# KiCad board misrc_v2.5-rounded.kicad_pcb (continued)
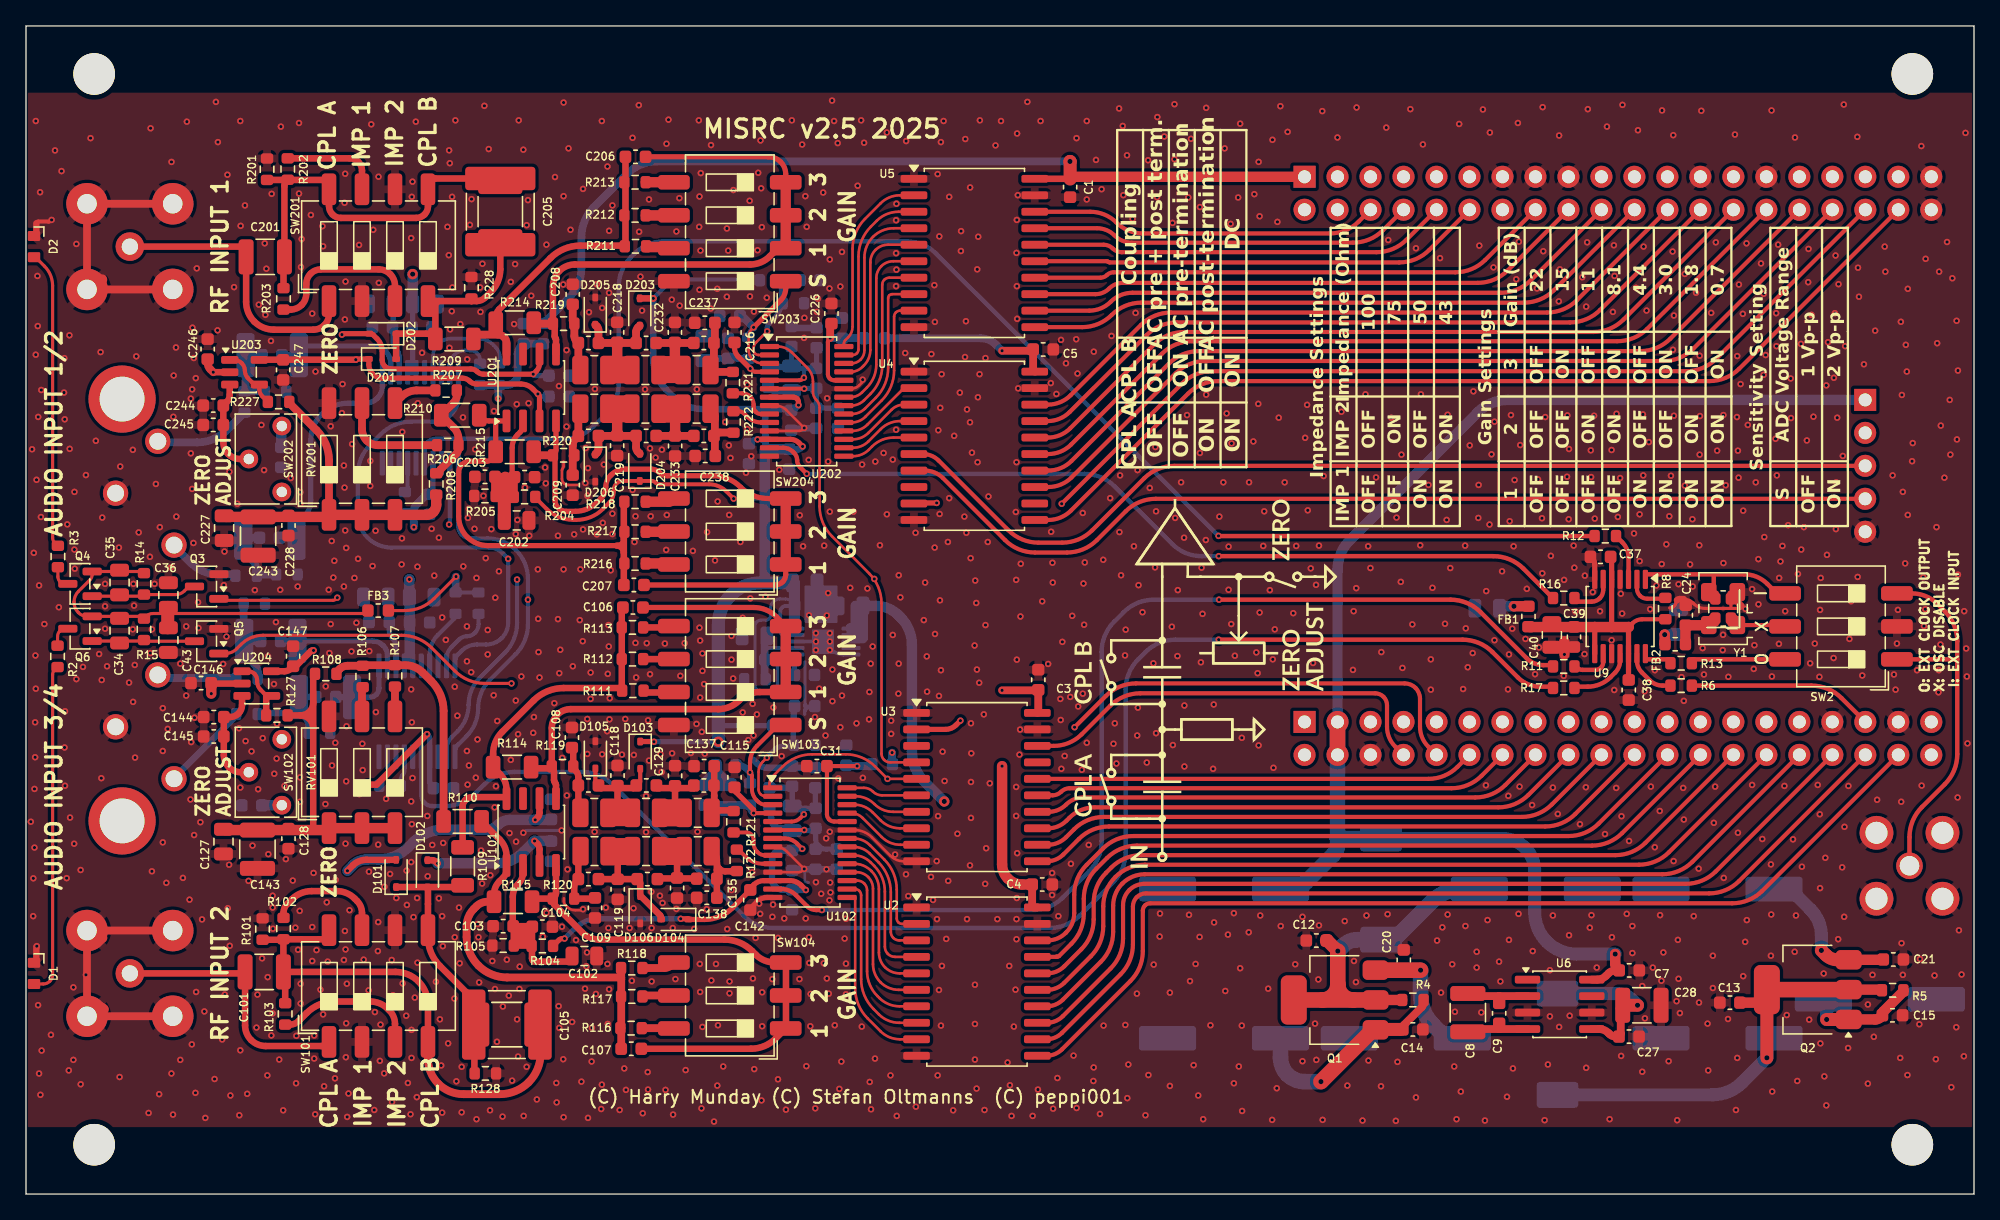
[diagram p0: board, top side]
## Routing (per net, layer and track width the routed paths; a pad name or vN(x,y) marks a point on that pad's centre or on a via; arc(x,y) is an arc through that point) (continued)
GND: length 123.6
  Top w0.2: 41.42,22.78 41.42,22.58 arc(41.46,22.39) 41.56,22.23 41.67,22.12 arc(41.96,21.93) 42.29,21.87 42.76,21.87 arc(42.81,21.88) 42.86,21.91 v1(42.89,21.94) ; 41.4,56.44 41.4,56.07 arc(41.38,55.99) 41.33,55.92 arc(41.29,55.85) 41.27,55.76 41.27,55.11 arc(41.3,54.93) 41.41,54.77 arc(41.56,54.67) 41.75,54.63 42.55,54.63 ; v1(64.42,62.75) 64.42,62.66 arc(64.41,62.58) 64.36,62.51 64.16,62.31 arc(63.87,62.12) 63.53,62.05 U202.23 ; 57.25,26.75 57.74,26.75 arc(58.19,26.66) 58.57,26.41 v1(59.92,25.05) 59.8,24.92 arc(59.66,24.83) 59.5,24.8 57.25,24.8 ; U202.8 57.72,60.75 arc(58.16,60.66) 58.54,60.41 v1(59.92,59.03) 59.81,58.91 arc(59.69,58.83) 59.54,58.8 U202.11 ; 68.17,25.64 67.58,25.64 arc(67.03,25.75) 66.57,26.06 65.14,27.48 arc(64.52,27.9) 63.78,28.05 62.97,28.05 ; v1(43.22,53.8) 43.22,54.01
  Top w0.24: Y2.2 131.28,45.14 arc(131.28,45.13) 131.28,45.13 ; 131.28,45.12 131.27,45.12 ; 131.28,45.12 132.03,45.12 ; 131.28,45.12 arc(131.28,45.12) 131.28,45.13 ; 131.27,45.12 129.29,45.12 arc(128.82,45.22) 128.42,45.48 128.36,45.54 arc(128.03,45.76) 127.64,45.84 ; 131.27,45.12 arc(131.27,45.12) 131.28,45.13 ; 0.9,17.8 0.85,17.8 arc(0.82,17.82) 0.8,17.85 0.8,17.95 ; Y1.2 131.41,46.02 arc(131.41,46.01) 131.42,45.99 ; 126.56,45.16 126.66,45.16 arc(126.76,45.18) 126.84,45.23 126.96,45.36 arc(127.02,45.45) 127.04,45.55 arc(127.07,45.66) 127.12,45.75 127.13,45.75
  Top w0.32: v1(0.83,19.1) 0.82,19.08 arc(0.8,19.07) 0.8,19.05 ; v1(1.97,75.06) 1.91,74.99 arc(1.84,74.95) 1.76,74.93 0.94,74.93 arc(0.89,74.92) 0.84,74.89 arc(0.81,74.84) 0.8,74.79
  Top w0.4: C37.2 120.63,48.93 arc(120.75,48.75) 120.8,48.53 U9.7 ; 55.72,21.96 56.3,22.54 arc(56.65,22.77) 57.06,22.85 U102.14
  Top w0.5: 127.64,45.84 127.34,45.84 arc(127.23,45.82) 127.13,45.75 ; 0.8,74.79 0.8,73.81 ; C40.2 117.51,42.14 arc(117.52,42.15) 117.53,42.15 C39.2 ; 131.42,45.99 132.09,45.33 ; 0.8,19.05 0.8,17.81
  Top w0.6: J101.3 J101.2 J101.4 J101.5 ; J201.5 J201.4 J201.2 J201.3
  Top w0.8: 10.07,20.29 10.83,20.29 ; 5.85,70.46 5.57,70.46 ; 5.03,20.4 4.23,20.4 ; 10.28,69.71 11.25,69.71 ; v1(118.46,41.58) 118.46,42.6 ; 10.3,76.29 11.3,76.29 ; 5.1,14.46 5.43,14.46 arc(5.73,14.4) 5.98,14.23 ; 10.35,70.46 10.65,70.46 ; 5.1,19.54 5.39,19.54 arc(5.64,19.59) 5.86,19.74 ; 4.69,76.4 4.87,76.22 arc(5.06,76.09) 5.29,76.05
  Bottom w0.2: 60.27,23.99 60.25,24.01 arc(60.23,24.02) 60.2,24.03 60.1,24.03 arc(60.01,24.07) 59.97,24.16 59.97,24.97 arc(59.96,25) 59.95,25.03 v1(59.92,25.05)
  Bottom w0.24: 60,37.27 59.98,37.25 ; 60,37.27 60.18,37.45 arc(60.34,37.56) 60.53,37.6 60.11,37.6 arc(60.06,37.61) 60.02,37.63 ; 60,37.27 arc(59.99,37.27) 59.99,37.28 ; 59.98,37.25 arc(59.97,37.23) 59.96,37.22 59.96,36.96 ; 59.98,37.25 arc(59.99,37.26) 59.99,37.28 ; v1(41.24,28.02) 38.6,28.02 arc(38.48,27.99) 38.39,27.93 v1(38.3,27.84) ; 55.02,42.88 C22.1 ; 59.99,37.62 59.99,37.28 ; 59.99,37.62 59.99,37.72 ; 59.99,37.62 arc(60,37.64) 60.02,37.63 ; 59.99,37.72 59.99,41.01 ; 59.99,37.72 arc(60,37.67) 60.02,37.63
  Bottom w0.28: U7.5 62.95,41.57 arc(62.42,41.68) 61.97,41.98 61.88,42.07 arc(61.32,42.44) 60.67,42.57 U7.8
  Bottom w0.5: 61.42,32.85 59.01,32.85 arc(59,32.85) 59,32.85 arc(58.99,32.84) 58.98,32.84 57.06,32.84 arc(56.66,32.92) 56.32,33.15 56.02,33.45 ; C214.1 60.86,66.74 arc(60.85,66.73) 60.83,66.72 58.95,66.72 ; C111.1 v1(61.64,25.03) 59.97,25.03 arc(59.95,25.03) 59.94,25.04 v1(59.92,25.05) 59,25.05 ; C212.1 59.97,59 arc(59.95,59) 59.94,59.01 v1(59.92,59.03) 59.9,59 arc(59.87,58.98) 59.84,58.97 58.92,58.97
  Bottom w0.6: 53.14,32.39 arc(53.12,32.38) 53.1,32.37
  Bottom w0.8: 10.29,76.3 11.28,76.3 ; 11.07,20.07 10.31,20.07 ; 10.21,69.72 11.18,69.72 ; 5.07,14.84 arc(5.13,14.54) 5.3,14.29
  Bottom w1: C131.2 53.17,32.37 arc(53.15,32.38) 53.14,32.39 arc(53.12,32.39) 53.11,32.41 ; C116.2 53.1,32.37 arc(53.11,32.39) 53.11,32.41 ; 53.11,32.41 C139.2
  vias: v1(0.37,28.69) v1(0.47,57.38) v1(0.57,24.33) v1(0.55,21.41) v1(0.6,49.4) v1(0.65,31.22) v1(0.65,26.69) v1(0.76,82.68) v1(0.75,64.67) v1(0.73,41.5) v1(0.76,38.94) v1(0.7,36.35) v1(0.7,33.65) v1(0.88,70.74) v1(0.81,55.03) v1(0.91,66.88) v1(0.94,59.88) v1(0.93,14.55) v1(1.09,77.19) v1(1.01,46.89) v1(1.01,9.29) v1(1.18,61.95) v1(1.15,52.17) v1(1.11,7.64) v1(1.21,11.05) v1(1.42,43.92) v1(1.92,12.27) v1(2.23,80.41) v1(2.53,45.21) v1(2.74,78.82) v1(2.96,64.41) v1(2.93,61.75) v1(2.98,59.69) v1(2.97,34.41) v1(3.01,37.2) v1(3.01,31.46) v1(3.18,51.6) v1(3.13,24.34) v1(3.3,9.52) v1(3.35,66.17) v1(3.36,57.42) v1(3.39,29.01) v1(3.65,15.93) v1(3.65,10.34) v1(3.73,54.1) v1(3.73,49.66) v1(3.75,48.18) v1(3.71,26.99) v1(3.88,73.2) v1(3.88,39.67) v1(4.21,24.97) v1(4.21,8.46) v1(4.39,40.61) v1(4.62,55.4) v1(4.62,16.89) v1(4.97,81.36) v1(5.38,58.04) v1(5.63,41.61) v1(5.75,64.87) v1(5.87,52.12) v1(5.83,39.61) v1(5.8,32.04) v1(6.09,47.01) v1(6.09,45.29) v1(6.09,43.56) v1(6.24,40.66) v1(7.16,49.81) v1(7.26,56.06) v1(7.21,9.02) v1(7.94,39.41) v1(8.23,57.34) v1(8.27,47.01) v1(8.22,43.51) v1(8.25,37.92) v1(8.32,45.34) v1(8.38,40.77) v1(8.49,64.54) v1(8.4,33.63) v1(8.68,50.98) v1(9.44,6.25) v1(9.59,82.12) v1(9.54,49.1) v1(9.57,41.68) v1(9.7,43.51) v1(9.7,24.87) v1(9.9,47.01) v1(10,54.71) v1(10.26,7.7) v1(10.31,51.38) v1(10.53,37.44) v1(10.53,34.14) v1(10.54,27.1) v1(10.81,23.98) v1(10.92,35.84) v1(11.17,48.28) v1(11.2,79.52) v1(11.2,9.29) v1(11.37,63.07) v1(11.35,59.89) v1(11.32,6.12) v1(11.55,65.23) v1(11.58,52.2) v1(11.88,40.87) v1(11.88,10.34) v1(12.08,24.36) v1(12.39,82.63) v1(12.34,43.74) v1(12.34,38.4) v1(12.59,22.68) v1(12.69,61.29) v1(12.69,57.07) v1(12.67,30.4) v1(12.8,62) v1(12.8,54.33) v1(12.72,34.82) v1(12.77,11.53) v1(12.82,66.75) v1(12.9,50.16) v1(12.92,64.41) v1(12.97,36.7) v1(12.95,27.66) v1(13.07,62.86) v1(13.1,15.57) v1(13.05,7.8) v1(13.15,71.32) v1(13.25,45.59) v1(13.28,43.61) v1(13.43,28.65) v1(13.56,21.16) v1(13.73,14.07) v1(13.81,5.87) v1(14.52,8.86) v1(14.62,84.15) v1(14.78,81.05) v1(14.75,66.55) v1(15.18,40.84) v1(15.11,11.91) v1(15.28,49.5) v1(15.23,46.91) v1(15.31,15.37) v1(15.44,42.95) v1(15.51,78.54) v1(15.54,22.02) v1(15.67,55.65) v1(15.64,25.37) v1(15.69,19.13) v1(15.74,7.59) v1(16.02,69.87) v1(16.28,53.19) v1(16.4,35.89) v1(16.43,6.07) v1(16.5,82.68) v1(16.53,74.6) v1(16.5,31.32) v1(16.5,11.07) v1(16.86,76.17) v1(16.91,34.9) v1(17.04,7.72) v1(17.14,24.13) v1(17.37,34.11) v1(17.44,26.85) v1(17.62,46.53) v1(17.75,12.83) v1(17.88,31.19) v1(17.82,15.37) v1(17.93,68.53) v1(18.13,59.26) v1(18.18,18.16) v1(18.23,35.13) v1(18.38,73.25) v1(18.33,55.78) v1(18.43,67.74) v1(18.51,71.3) v1(18.59,9.14) v1(18.64,41.43) v1(18.66,26.19) v1(18.61,16.71) v1(18.87,65.73) v1(18.89,12.22) v1(18.92,77.06) v1(18.99,22.99) v1(18.99,22.07) v1(18.99,13.92) v1(19.09,39.29) v1(19.02,20.45) v1(19.12,32.38) v1(19.25,44.07) v1(19.3,33.55) v1(19.32,36.25) v1(19.58,46.56) v1(19.5,10.36) v1(19.63,82.24) v1(19.81,6.45) v1(19.91,31.44) v1(20.01,25.81) v1(20.39,55.17) v1(20.54,24.15) v1(20.75,20.52) v1(20.8,8.53) v1(20.82,12.19) v1(20.92,46.81) v1(20.95,18.82) v1(21.02,82.52) v1(21.02,77.09) v1(21.08,21.82) v1(21.18,71.42) v1(21.13,54.08) v1(21.13,53.21) v1(21.1,32.11) v1(21.1,30.23) v1(21.15,16.2) v1(21.15,14.68) v1(21.23,73.58) v1(21.94,75.44) v1(22.04,67.84) v1(22.04,20.57) v1(22.04,17.96) v1(22.14,24.74) v1(22.19,12.22) v1(22.19,10.44) v1(22.29,63.37) v1(22.27,6.15) v1(22.37,18.8) v1(22.68,15.75) v1(22.83,74.57) v1(22.88,73.02) v1(22.88,13.84) v1(22.96,8.31) v1(23.08,39.12) v1(23.06,30.05) v1(23.16,22.48) v1(23.23,17.91) v1(23.31,46.56) v1(23.36,41.68) v1(23.46,59.16) v1(23.46,43.92) v1(23.54,50.32) v1(23.56,33.02) v1(23.67,47.5) v1(23.74,48.79) v1(23.79,8.91) v1(23.82,34.77) v1(23.84,24.21) v1(24.38,62.41) v1(24.33,60.17) v1(24.48,56.13) v1(24.48,46.81) v1(24.48,18.03) v1(24.58,78.61) v1(24.53,76.38) v1(24.56,67.39) v1(24.53,54.43) v1(24.58,51.13) v1(24.56,20.27) v1(24.61,70.31) v1(24.66,49.78) v1(24.68,36.04) v1(24.66,31.8) v1(24.61,27) v1(24.61,18.85) v1(24.66,13.16) v1(24.63,10.54) v1(24.71,16.2) v1(24.73,5.94) v1(24.83,7.75) v1(24.91,21.87) v1(25.06,41.81) v1(25.11,57.78) v1(25.29,47.47) v1(25.44,44.02) v1(25.57,48.95) v1(25.65,73.13) v1(25.67,30.81) v1(25.9,34.7) v1(25.93,32.66) v1(26,18.06) v1(26.38,15.7) v1(26.44,41.83) v1(26.41,24.84) v1(26.59,82.42) v1(26.51,56.49) v1(26.51,54.56) v1(26.69,48.39) v1(26.74,74.29) v1(26.87,14.02) v1(26.82,6.48) v1(26.92,51.1) v1(26.94,37.13) v1(27.1,18.72) v1(27.15,78.38) v1(27.17,70.2) v1(27.12,26.92) v1(27.12,20.95) v1(27.3,13.06) v1(27.25,10.26) v1(27.58,9.3) v1(27.6,23.67) v1(27.73,30.45) v1(28.04,24.66) v1(28.16,18.03) v1(28.19,7.09) v1(28.26,15.32) v1(28.52,22.81) v1(28.62,71.88) v1(28.97,58.72) v1(28.95,50.52) v1(28.92,48.51) v1(29,16.23) v1(29.28,13.74) v1(29.31,24.92) v1(29.33,22.28) v1(29.41,8.56) v1(29.66,73.66) v1(29.66,38.89) v1(29.66,30.25) v1(29.66,25.58) v1(29.69,12.65) v1(29.69,10.49) v1(29.61,6.15) v1(29.76,78) v1(29.71,76.83) v1(29.71,36.35) v1(29.76,32.05) v1(29.71,28.5) v1(29.84,21.34) v1(29.94,15.14) v1(30.02,82.63) v1(30.09,7.47) v1(30.17,60.93) v1(30.14,48.34) v1(30.12,22.81) v1(30.14,17.83) v1(30.5,64.82) v1(30.91,29.13) v1(30.93,24.48) v1(31.24,51.26) v1(31.29,26.9) v1(31.44,47.65) v1(31.57,16.36) v1(31.79,50.57) v1(31.79,22.78) v1(31.87,13.46) v1(31.97,9.91) v1(32.05,44.42) v1(32.05,21.41) v1(32.1,19.1) v1(32.05,6.27) v1(32.12,27.05) v1(32.33,42.7) v1(32.45,74.52) v1(32.58,80.42) v1(32.56,72.34) v1(32.51,11.61) v1(32.63,79.43) v1(32.66,66.62) v1(32.61,65.2) v1(32.78,68.02) v1(32.81,76.83) v1(32.84,69.85) v1(32.99,15.06) v1(33.06,82.73) v1(33.01,39.09) v1(33.01,19.79) v1(33.14,8.69) v1(33.22,36.85) v1(33.34,22.07) v1(33.39,17.78) v1(33.45,67.03) v1(33.55,9.8) v1(33.55,6.3) v1(33.65,59.84) v1(33.67,48.36) v1(33.98,64.31) v1(33.95,43.74) v1(33.95,41.05) v1(33.95,34.14) v1(34.03,52.09) v1(34,31.55) v1(34.18,74.68) v1(34.11,52.81) v1(34.11,33.02) v1(34.28,40.21) v1(34.31,76.66) v1(34.59,57.38) v1(34.54,51.26) v1(34.69,47.47) v1(34.64,32.08) v1(34.69,5.77) v1(34.77,35.03) v1(34.77,20.8) v1(34.84,19.79) v1(34.89,16.31) v1(34.97,69.85) v1(34.99,67.97) v1(35.05,26.47) v1(35.15,71.68) v1(35.12,23.93) v1(35.3,83.84) v1(35.22,53.8) v1(35.4,49) v1(35.55,43.46) v1(35.55,41.58) v1(35.63,80.52) v1(35.76,24.56) v1(35.73,6.45) v1(35.83,51.23) v1(35.91,17.96) v1(36.04,60.32) v1(36.01,38.43) v1(36.09,29.79) v1(36.14,45.95) v1(36.19,31.42) v1(36.11,15.8) v1(36.29,36.45) v1(36.26,11.73) v1(36.42,47.98) v1(36.7,5.97) v1(36.72,14.45) v1(37.03,18.06) v1(37.18,15.29) v1(37.23,27.81) v1(37.33,70.28) v1(37.33,33.45) v1(37.43,8.74) v1(37.59,67.03) v1(37.66,71.65) v1(37.79,60.86) v1(37.71,50.85) v1(37.71,38.02) v1(37.74,27.15) v1(37.84,51.94) v1(37.89,35.43) v1(37.81,13.46) v1(37.89,10.59) v1(37.94,82.73) v1(37.99,15.8) v1(38.02,17.53) v1(38.14,39.88) v1(38.3,80.47) v1(38.32,6.02) v1(38.42,54.43) v1(38.55,74.65) v1(38.55,9.8) v1(38.65,76.58) v1(38.7,60.93) v1(38.75,50.72) v1(38.91,69.21) v1(39.06,35.53) v1(39.11,36.75) v1(39.34,7.29) v1(39.41,48.13) v1(39.44,44.32) v1(39.47,41.76) v1(39.54,39.8) v1(39.8,19.84) v1(39.97,55.98) v1(40.07,73.15) v1(40.02,54.76) v1(40.07,21.67) v1(40.68,37.82) v1(40.74,78.36) v1(40.84,8.56) v1(40.86,7.06) v1(40.96,50.72) v1(40.96,44.3) v1(41.04,62.25) v1(41.07,40.13) v1(41.01,14.48) v1(41.07,12.8) v1(41.14,41.93) v1(41.29,33.6) v1(41.27,20.6) v1(41.4,84.1) v1(41.4,76.89) v1(41.37,70.08) v1(41.4,48.13) v1(41.37,10.39) v1(41.4,5.92) v1(41.62,65.02) v1(41.62,59.13) v1(41.65,30.71) v1(41.78,80.57) v1(41.7,25.02) v1(41.93,74.29) v1(42.06,13.26) v1(42.11,40.66) v1(42.21,50.82) v1(42.35,19.57) v1(42.69,48.13) v1(42.64,44.22) v1(42.77,8.66) v1(42.89,77.44) v1(42.89,51.21) v1(42.87,42.6) v1(43.1,57.48) v1(43.07,54.79) v1(43.05,15.82) v1(43.2,18.62) v1(43.15,17.55) v1(43.28,55.93) v1(43.22,36.6) v1(43.22,33.91) v1(43.28,5.87) v1(43.35,67.94) v1(43.48,40.18) v1(43.48,38.15) v1(43.58,12.8) v1(43.55,10.21) v1(43.78,27.91) v1(43.81,62.03) v1(43.88,15.42) v1(43.96,70.1) v1(43.96,50.82) v1(44.29,6.55) v1(44.34,82.68) v1(44.37,68.27) v1(44.37,33.88) v1(44.34,8.43) v1(44.49,56.21) v1(44.42,51.71) v1(44.65,22.07) v1(44.77,79.17) v1(44.8,40.08) v1(44.75,35.66) v1(44.77,17.73) v1(44.8,13.11) v1(44.85,43.84) v1(44.88,42.19) v1(44.85,20.5) v1(44.9,74.22) v1(44.9,69.44) v1(44.95,38.2) v1(44.93,36.58) v1(44.9,15.77) v1(45.03,48.06) v1(45.15,76.17) v1(45.15,52.42) v1(45.15,50.85) v1(45.71,6.48) v1(45.89,33.86) v1(46.07,9.68) v1(46.15,36.6) v1(46.2,8.03) v1(46.48,20.5) v1(46.65,16.43) v1(46.7,81.38) v1(46.7,54.25) v1(46.78,22.02) v1(46.86,50.24) v1(46.81,33.83) v1(46.93,52.22) v1(46.93,42.47) v1(46.98,39.8) v1(47.19,83.9) v1(47.21,74.14) v1(47.31,70.69) v1(47.44,68.07) v1(47.49,6.22) v1(47.67,62) v1(47.8,42.44) v1(47.75,30.66) v1(47.75,27.89) v1(47.9,36.5) v1(47.87,9.4) v1(47.9,8.05) v1(47.97,76.63) v1(47.97,33.4) v1(48.05,57.45) v1(48.05,40.06) v1(48.1,52.22) v1(48.15,23.29) v1(48.18,20.5) v1(48.18,16.38) v1(48.48,56.74) v1(48.86,33.88) v1(48.81,22.99) v1(48.96,57.35) v1(48.94,32.51) v1(49.02,22.43) v1(49.19,42.42) v1(49.3,49.63) v1(49.24,8.03) v1(49.32,80.92) v1(49.35,52.32) v1(49.47,82.78) v1(49.73,68.91) v1(49.75,33.96) v1(49.8,20.5) v1(49.83,6.12) v1(50.08,74.17) v1(50.08,21.97) v1(50.01,16.56) v1(50.31,76.73) v1(50.34,68.45) v1(50.39,39.93) v1(50.72,42.44) v1(50.79,9.55) v1(51.2,33.98) v1(51.35,49.55) v1(51.45,20.42) v1(51.66,62) v1(51.63,36.22) v1(51.71,27.91) v1(51.81,82.73) v1(51.86,76.86) v1(51.83,74.52) v1(51.86,69.67) v1(51.86,43.64) v1(51.89,17.73) v1(51.96,78.66) v1(51.94,72.69) v1(51.91,42.65) v1(51.91,38.25) v1(51.91,15.57) v1(52.09,41.66) v1(52.09,40.31) v1(52.04,35.61) v1(52.09,12.88) v1(52.01,6.6) v1(52.22,39.29) v1(52.27,33.93) v1(52.44,51) v1(52.42,21.94) v1(52.75,80.82) v1(52.72,68.22) v1(52.77,16.46) v1(52.98,5.59) v1(53.05,48.82) v1(53.13,17.73) v1(53.23,69.75) v1(53.26,53.36) v1(53.28,13) v1(53.23,8.36) v1(53.69,9.83) v1(53.85,59.49) v1(53.97,74.4) v1(53.97,69.14) v1(53.99,20.42) v1(54.07,72.69) v1(54.12,57.68) v1(54.15,52.32) v1(54.17,16.38) v1(54.17,15.47) v1(54.25,56.72) v1(54.32,43) v1(54.32,41.17) v1(54.32,23.42) v1(54.47,77.36) v1(54.45,39.72) v1(55.01,50.24) v1(55.19,44.4) v1(55.19,37.11) v1(55.31,12.83) v1(55.44,55.57) v1(55.54,62.36) v1(55.54,58.93) v1(55.52,17.68) v1(55.62,34.98) v1(55.72,76.53) v1(55.75,69.16) v1(55.77,45.9) v1(55.85,56.84) v1(55.95,37.77) v1(55.92,24.79) v1(55.98,16.61) v1(56.05,68) v1(56.03,35.33) v1(56.08,9.63) v1(56.18,19.74) v1(56.28,36.96) v1(56.38,78.69) v1(56.33,72.72) v1(56.46,22.38) v1(56.56,81.18) v1(56.53,21.59) v1(56.61,77.49) v1(56.66,74.5) v1(56.69,15.54) v1(56.69,12.93) v1(56.64,7.21) v1(56.94,46.02) v1(57.04,69.06) v1(57.47,21.36) v1(57.47,16.56) v1(57.55,37.49) v1(57.52,22.3) v1(57.91,19.74) v1(57.91,8.84) v1(58.01,55.8) v1(58.19,33.74) v1(58.39,21.23) v1(58.52,6.5) v1(58.97,82.73) v1(59.58,52.3) v1(59.56,16.56) v1(59.77,80.87) v1(59.84,49.91) v1(59.94,67.51) v1(59.91,65.96) v1(60.01,76.89) v1(60.04,21.23) v1(60.09,9.85) v1(60.12,74.52) v1(60.27,56.57) v1(60.29,44.6) v1(60.29,19.79) v1(60.32,17.8) v1(60.39,12.93) v1(60.42,15.42) v1(60.75,36.75) v1(60.78,6.6) v1(60.82,43.22) v1(60.82,42.57) v1(60.82,41.92) v1(60.83,24.03) v1(60.98,68.99) v1(60.9,67.97) v1(61.08,38.94) v1(61.23,23.14) v1(61.39,77.16) v1(61.46,49.96) v1(61.44,17.78) v1(61.56,35.33) v1(61.69,61.31) v1(61.66,44.58) v1(61.61,27.41) v1(61.66,16.61) v1(61.77,56.44) v1(61.77,46.3) v1(61.89,72.01) v1(61.87,69.77) v1(61.89,52.58) v1(61.9,43.22) v1(61.9,42.57) v1(61.9,41.92) v1(61.89,27.91) v1(61.87,22.63) v1(61.82,15.44) v1(61.92,24) v1(61.94,23.24) v1(62.07,84.25) v1(62.1,40.41) v1(62.1,37.97) v1(62.22,82.68) v1(62.27,13) v1(62.5,80.97) v1(62.55,32.03) v1(62.63,8.1) v1(62.71,69.93) v1(62.71,35.97) v1(62.78,10.21) v1(62.83,72.59) v1(62.83,38.4) v1(63.04,19.68) v1(63.09,16.69) v1(63.14,21.21) v1(63.14,17.75) v1(63.14,15.39) v1(63.47,46.71) v1(63.72,52.58) v1(63.95,36.27) v1(64.04,77.69) v1(64.31,82.73) v1(64.38,56.21) v1(64.36,12.9) v1(64.44,32.07) v1(64.53,81) v1(64.79,46.66) v1(64.94,38.68) v1(64.92,36.58) v1(64.97,8.64) v1(65.04,40.87) v1(65.07,6.53) v1(65.2,42.19) v1(65.4,56.44) v1(65.37,10.44) v1(65.75,49.99) v1(66.03,57.1) v1(66.28,81.79) v1(66.29,52.37) v1(66.57,9.14) v1(66.62,36.47) v1(66.62,35.46) v1(66.74,56.59) v1(66.74,43.08) v1(67,75.03) v1(67,72.49) v1(67,69.95) v1(67,58.89) v1(66.92,26.16) v1(67.02,76.3) v1(67.02,71.22) v1(67.05,6.02) v1(67.18,38.56) v1(67.2,47.68) v1(67.2,40.87) v1(67.33,45.97) v1(67.77,81.13) v1(67.7,64.8) v1(67.76,24.64) v1(67.94,22.96) v1(68.5,50.95) v1(68.52,6.73) v1(69.13,44.22) v1(69.23,47.12) v1(69.36,41.43) v1(69.39,38.71) v1(69.69,24.44) v1(69.72,64.72) v1(69.84,22.66) v1(69.95,70.03) v1(69.98,67.2) v1(69.97,49.81) v1(70,43.15) v1(70.2,78.59) v1(70.12,25.65) v1(70.15,21.18) v1(70.2,9.14) v1(70.25,58.85) v1(70.23,29.12) v1(70.33,73.79) v1(70.35,52.4) v1(70.38,45.74) v1(70.3,38.38) v1(70.3,15.72) v1(70.45,81.05) v1(70.4,60.58) v1(70.45,40.36) v1(70.45,12.98) v1(70.5,63.17) v1(70.58,34.09) v1(70.53,17.58) v1(70.66,82.68) v1(70.73,31.83) v1(70.86,19.66) v1(70.99,50.24) v1(71.09,76.83) v1(71.09,53.62) v1(71.01,24.13) v1(71.39,6.45) v1(71.47,58.42) v1(71.72,27.76) v1(71.99,72.66) v1(71.91,61.75) v1(72,74.19) v1(72.26,52.2) v1(72.33,81.29) v1(72.38,67.25) v1(72.31,64.49) v1(72.46,60.45) v1(72.41,50.95) v1(72.46,21.18) v1(72.7,77.56) v1(72.69,59.46) v1(72.69,25.32) v1(72.74,49) v1(72.76,36.27) v1(72.79,33.96) v1(72.76,31.75) v1(72.76,28.98) v1(72.84,57.12) v1(73.09,47.27) v1(73.04,42.27) v1(73.07,16.13) v1(73.07,13.11) v1(73.07,10.36) v1(73.17,45.54) v1(73.2,8.13) v1(73.25,71.25) v1(73.3,61.39) v1(73.27,56.39) v1(73.22,40.41) v1(73.32,73.76) v1(73.4,39.39) v1(73.45,82.73) v1(73.43,63.17) v1(73.76,36.96) v1(73.88,64.41) v1(73.88,43.84) v1(73.86,23.9) v1(73.81,6.48) v1(73.93,26.64) v1(74.06,50.24) v1(74.11,53.75) v1(74.21,31.65) v1(74.66,80.8) v1(74.8,21.18) v1(75.08,82.68) v1(75.58,10.13) v1(75.71,17.58) v1(75.76,8.38) v1(75.89,6.02) v1(76.07,12.9) v1(76.19,15.75) v1(76.3,75.06) v1(76.27,72.52) v1(76.3,69.95) v1(76.27,56.39) v1(76.22,52.55) v1(76.24,47.32) v1(76.3,41.17) v1(76.24,31.37) v1(76.24,29.13) v1(76.3,22.81) v1(76.27,21.18) v1(76.27,19.63) v1(76.32,81.71) v1(76.37,76.96) v1(76.32,67.44) v1(76.4,62.08) v1(76.32,26.26) v1(76.5,33.86) v1(76.6,48.56) v1(76.57,44.5) v1(76.55,35.79) v1(77.11,84.15) v1(77.51,6.02) v1(77.92,8.05) v1(78.12,82.68) v1(78.25,45.67) v1(78.71,40.84) v1(78.91,62.48) v1(78.94,51.03) v1(79.04,48.64) v1(79.06,47.12) v1(79.01,24.74) v1(79.01,23.04) v1(79.09,6.58) v1(79.34,61.65) v1(79.5,21.41) v1(79.42,8.94) v1(79.7,65.81) v1(79.65,38.15) v1(79.67,36.52) v1(79.72,32.77) v1(79.8,42.54) v1(79.98,33.76) v1(80.08,64.01) v1(80.41,38.3) v1(80.46,25.45) v1(80.56,44.55) v1(80.66,10.67) v1(80.89,81.36) v1(80.87,65.86) v1(80.89,6.63) v1(80.97,63.22) v1(81.02,37.57) v1(81.3,32.69) v1(81.38,52.48) v1(81.38,38.56) v1(81.43,47.04) v1(81.48,43.87) v1(81.53,48.67) v1(81.68,82.68) v1(81.68,76.63) v1(81.68,34.77) v1(81.83,26.9) v1(82.19,8.71) v1(82.22,64.9) v1(82.21,9.75) v1(82.39,79.68) v1(82.7,6.17) v1(82.82,77.42) v1(82.95,48.87) v1(82.98,12.98) v1(83.48,53.62) v1(83.59,66.12) v1(83.74,34.7) v1(83.84,36.27) v1(83.97,33.17) v1(84.17,83.64) v1(84.19,51) v1(84.25,55.37) v1(84.32,47.68) v1(84.45,82.3) v1(84.5,76.96) v1(84.68,43.48) v1(84.63,41.5) v1(84.65,13.03) v1(84.78,80.03) v1(84.88,9.98) v1(84.8,7.39) v1(85.21,75.13) v1(85.31,49.91) v1(85.44,67.89) v1(85.59,55.78) v1(85.57,35.33) v1(85.54,15.44) v1(85.67,46.91) v1(85.62,37.48) v1(85.97,44.83) v1(86.2,6.07) v1(86.3,33.25) v1(86.4,79.65) v1(86.43,9.17) v1(86.53,54.41) v1(86.81,40.89) v1(86.84,17.68) v1(86.96,57.56) v1(86.94,48.28) v1(87.09,76.81) v1(87.01,52.6) v1(87.01,35.51) v1(87.12,82.98) v1(87.29,19.84) v1(87.32,21.61) v1(87.65,81.48) v1(88.08,15.52) v1(88.08,8.33) v1(88.28,74.83) v1(88.23,43.71) v1(88.31,34.59) v1(88.44,83.97) v1(88.44,79.73) v1(88.49,52.09) v1(88.69,46.53) v1(88.66,41.45) v1(88.94,54.84) v1(89.17,50.57) v1(89.2,37.64) v1(89.2,32.94) v1(89.4,60.02) v1(89.5,76.78) v1(89.55,21.51) v1(89.63,16.41) v1(89.71,81.3) v1(89.91,9.93) v1(90.06,17.73) v1(90.27,7.59) v1(90.39,76.05) v1(90.39,57.1) v1(90.37,19.81) v1(90.47,40.97) v1(90.52,48.26) v1(90.6,44.7) v1(90.65,5.77) v1(90.87,83.69) v1(90.87,61.59) v1(90.85,50.39) v1(91.21,13) v1(91.46,37.72) v1(91.41,32.77) v1(91.48,20.93) v1(91.89,52.2) v1(92.2,54.84) v1(92.3,80.57) v1(92.35,15.65) v1(92.45,60.15) v1(92.55,19.99) v1(92.6,49.89) v1(92.6,46.56) v1(92.75,74.75) v1(92.83,57.84) v1(92.81,43.92) v1(93.08,41.48) v1(93.01,21.64) v1(93.01,8.53) v1(93.34,76.78) v1(93.39,9.83) v1(93.49,82.47) v1(93.49,17.4) v1(93.62,35.15) v1(93.62,12.98) v1(93.64,6.4) v1(94.18,54.84) v1(94.15,20.17) v1(94.58,77.04) v1(94.51,57.99) v1(94.74,41.73) v1(94.89,60.88) v1(94.84,40.13) v1(94.91,79.53) v1(94.99,75.34) v1(94.99,44.81) v1(94.91,34.57) v1(95.04,21.46) v1(95.27,49.94) v1(95.35,52.6) v1(95.65,15.82) v1(95.78,46.53) v1(95.98,81.23) v1(95.95,5.71) v1(96.01,41.2) v1(96.06,32.84) v1(96.16,43.51) v1(96.36,74.9) v1(96.31,8.15) v1(96.46,59.82) v1(96.59,83.82) v1(96.62,20.65) v1(96.92,54.84) v1(97.15,81.84) v1(97.58,44.75) v1(97.73,17.7) v1(97.81,49.94) v1(98.29,21.36) v1(98.29,10.24) v1(98.49,58.27) v1(98.65,60.81) v1(98.7,52.68) v1(98.93,48.21) v1(99.1,40.92) v1(99.26,13.13) v1(99.33,46.94) v1(99.36,10.34) v1(99.56,49.96) v1(99.56,20.7) v1(99.51,16.53) v1(99.82,83.44) v1(99.84,5.71) v1(99.92,55.32) v1(100.98,81.41) v1(101.29,60.27) v1(101.54,21.03) v1(101.75,8.36) v1(102.18,40.39) v1(102.23,44.91) v1(102.25,17.96) v1(102.46,83.72) v1(102.43,46.68) v1(102.41,16.33) v1(102.91,5.66) v1(103.14,61.62) v1(103.22,21.46) v1(103.35,49.91) v1(103.37,10.29) v1(103.52,48.23) v1(103.96,55.22) v1(104.36,41.76) v1(104.34,8.31) v1(104.74,82.17) v1(104.9,73.51) v1(104.84,21.56) v1(105.12,59.82) v1(105.48,5.64) v1(105.53,52.12) v1(105.61,10.18) v1(105.86,47.17) v1(105.91,56.97) v1(105.99,40.54) v1(106.6,83.59) v1(106.75,43.89) v1(107.03,72.87) v1(107.03,7.44) v1(107.36,49.99) v1(107.41,61.62) v1(107.56,80.87) v1(107.99,54.63) v1(108.17,41.2) v1(108.17,38.86) v1(108.3,46.71) v1(108.65,19.53) v1(108.88,72.11) v1(108.96,15.52) v1(109.06,20.55) v1(109.26,43.94) v1(109.39,51.94) v1(109.47,60.05) v1(109.47,21.54) v1(109.67,48.23) v1(109.82,17.7) v1(109.98,9.83) v1(110.03,14.05) v1(110.15,5.77) v1(110.36,82.45) v1(110.48,7.9) v1(110.66,38.91) v1(110.81,49.96) v1(110.86,43.59) v1(110.84,20.65) v1(111.02,40.59) v1(111.17,57.68) v1(111.4,41.68) v1(111.45,61.85) v1(111.7,18.67) v1(111.7,17.45) v1(111.86,54.63) v1(111.83,52.09) v1(111.91,73.08) v1(112.06,13.99) v1(112.19,83.57) v1(112.34,5.66) v1(112.44,46.46) v1(112.41,31.5) v1(112.54,21.11) v1(112.69,51.59) v1(112.72,81.79) v1(112.85,57) v1(113,71.4) v1(113.07,59.51) v1(113.07,42.67) v1(113.43,17.91) v1(113.53,16.38) v1(113.66,47.98) v1(114.04,7.49) v1(114.19,41.58) v1(114.12,38.89) v1(114.14,30.68) v1(114.19,19.58) v1(114.24,51.84) v1(114.34,60.02) v1(114.45,43.56) v1(114.5,9.68) v1(114.55,49.91) v1(114.62,55.02) v1(114.75,70.48) v1(114.88,82.52) v1(114.95,73.38) v1(114.93,21.59) v1(115.06,57.71) v1(115,31.39) v1(115.46,42.77) v1(115.56,46.63) v1(115.97,29.97) v1(116.02,18.72) v1(116.2,40.06) v1(116.35,69.77) v1(116.43,55.07) v1(116.5,42.11) v1(116.78,83.74) v1(116.73,52.07) v1(116.76,47.83) v1(116.83,72.64) v1(116.99,59.87) v1(116.94,5.69) v1(117.19,9.98) v1(117.34,17.25) v1(117.34,13.69) v1(117.42,49.17) v1(117.57,31.32) v1(117.57,21.46) v1(117.95,29.29) v1(118.05,81.56) v1(118.03,68.78) v1(118.05,12.88) v1(118.1,71.25) v1(118.43,47.32) v1(118.41,39.93) v1(118.69,59.99) v1(118.66,55.27) v1(118.79,51.99) v1(118.81,57.4) v1(118.81,19.94) v1(118.87,13.74) v1(119.17,49.96) v1(119.22,48.26) v1(119.3,44.88) v1(119.65,28.5) v1(119.83,70.64) v1(120.03,47.65) v1(120.01,41.6) v1(120.14,68.38) v1(120.11,31.34) v1(120.14,9.73) v1(120.26,83.59) v1(120.21,73.33) v1(120.49,57.3) v1(120.41,20.52) v1(120.52,55.24) v1(120.54,21.49) v1(120.64,46.38) v1(120.75,59.97) v1(120.8,52.04) v1(120.95,17.45) v1(121.2,44.91) v1(121.58,27.74) v1(121.74,82.24) v1(121.94,5.77) v1(122.09,57.33) v1(122.09,42.67) v1(122.19,67.97) v1(122.12,19.79) v1(122.27,73.1) v1(122.29,38.84) v1(122.32,70.74) v1(122.47,60.12) v1(122.45,31.29) v1(122.57,52.17) v1(122.75,55.17) v1(122.8,46.25) v1(122.85,29.11) v1(122.83,10.64) v1(122.93,83.92) v1(122.9,44.73) v1(123.26,21.59) v1(123.44,27.2) v1(123.69,20.65) v1(123.69,18.57) v1(123.82,50.9) v1(123.97,69.82) v1(124.12,81.97) v1(124.25,52.37) v1(124.25,48.77) v1(124.45,16.03) v1(124.45,9.42) v1(124.56,73) v1(124.5,60.07) v1(124.53,55.37) v1(124.63,38.73) v1(124.66,13.54) v1(124.78,68.07) v1(124.96,57.94) v1(125.06,45.06) v1(125.11,31.39) v1(125.27,17.45) v1(125.42,40.36) v1(125.42,26.72) v1(125.55,46.89) v1(125.8,29.51) v1(125.83,21.49) v1(125.98,83.49) v1(125.95,48.54) v1(125.93,16.43) v1(126.08,18.62) v1(126.31,50.06) v1(126.49,10.24) v1(126.54,52.22) v1(126.66,55.35) v1(126.79,72.62) v1(126.84,81.58) v1(126.89,67.69) v1(126.82,65.05) v1(126.89,59.97) v1(126.87,25.65) v1(127.1,14.86) v1(127.2,19.58) v1(127.15,5.69) v1(127.25,46.99) v1(127.25,16.59) v1(127.35,13.94) v1(127.48,39.83) v1(127.65,38) v1(127.6,31.29) v1(127.65,28.85) v1(127.73,70.89) v1(127.73,54.58) v1(128.14,48.51) v1(128.31,51.99) v1(128.34,46.81) v1(128.42,21.41) v1(128.59,69.44) v1(128.8,25.07) v1(128.87,64.59) v1(128.9,59.94) v1(128.87,56.97) v1(128.85,49.99) v1(128.82,14.76) v1(129,83.46) v1(129.1,42.06) v1(129.2,40.03) v1(129.48,13.13) v1(129.53,9.52) v1(129.76,67.89) v1(129.89,18.36) v1(129.89,15.87) v1(129.97,28.6) v1(130.07,31.39) v1(130.12,73.33) v1(130.22,57.28) v1(130.68,43.09) v1(130.65,41.91) v1(130.7,60.02) v1(130.7,48.61) v1(130.73,24.36) v1(130.88,54.61) v1(131.08,39.85) v1(131.06,13.49) v1(131.59,81.63) v1(131.67,6.48) v1(131.77,64.57) v1(131.74,59.87) v1(131.77,10.49) v1(131.9,70.08) v1(131.82,57.28) v1(131.87,55.19) v1(131.82,27.84) v1(132.02,62.41) v1(132.2,67.82) v1(132.23,52.65) v1(132.23,16.79) v1(132.38,19.43) v1(132.48,73.25) v1(132.4,45.08) v1(132.58,59.26) v1(132.51,21.11) v1(132.91,46.61) v1(132.91,31.52) v1(133.09,42.29) v1(133.04,40.46) v1(133.19,54.84) v1(133.39,48.92) v1(133.4,45.44) v1(133.6,71.7) v1(133.7,27.36) v1(133.8,69.37) v1(133.8,63.12) v1(133.85,50.62) v1(133.95,64.64) v1(134.36,25.4) v1(134.38,21.54) v1(134.36,18.36) v1(134.41,83.49) v1(134.44,39.88) v1(134.46,7.9) v1(134.77,67.87) v1(134.79,65.33) v1(134.72,58.19) v1(134.82,55.37) v1(134.92,73.15) v1(134.99,47.47) v1(134.98,42.39) v1(135.1,48.74) v1(135.25,49.94) v1(135.46,44.91) v1(135.4,31.44) v1(135.58,13.79) v1(135.68,51.54) v1(135.88,62.84) v1(135.91,59.79) v1(136.06,27.33) v1(136.19,18.67) v1(136.21,81.41) v1(136.29,21.46) v1(136.39,8.71) v1(136.44,47.78) v1(136.67,65.51) v1(136.7,49.66) v1(136.75,25.22) v1(136.9,51.38) v1(137.13,58.06) v1(137.26,72.82) v1(137.23,70.26) v1(137.38,40.89) v1(137.31,13.44) v1(137.48,67.74) v1(137.64,59.89) v1(137.74,42.42) v1(137.97,31.52) v1(138.09,39.85) v1(138.19,47.47) v1(138.14,45.01) v1(138.12,29.26) v1(138.14,23.57) v1(138.17,11.61) v1(138.42,16.99) v1(138.47,9.07) v1(138.55,25.91) v1(138.63,62.31) v1(138.68,49.25) v1(138.63,6.83) v1(138.75,65.63) v1(139.19,41.3) v1(139.29,67.87) v1(139.21,62.89) v1(139.34,72.31) v1(139.39,54.84) v1(139.36,51.23) v1(139.47,59.82) v1(139.57,70.1) v1(139.54,19.63) v1(139.9,56.87) v1(139.85,25.17) v1(139.97,83.95) v1(140,21.36) v1(140.07,65.33) v1(140.02,28.3) v1(140.33,31.44) v1(140.3,11.25) v1(140.4,42.77) v1(140.53,45.67) v1(141.01,81.46) v1(141.07,71.37) v1(141.04,47.55) v1(141.14,69.14) v1(141.4,39.95) v1(141.52,63.93) v1(141.83,14.6) v1(141.83,8.51) v1(142.18,16.89) v1(142.28,12.12) v1(142.39,66.52) v1(142.54,30.38) v1(143.12,73) v1(143.17,71.07) v1(143.73,55.37) v1(143.83,40.03) v1(143.96,38.86) v1(144.06,42.42) v1(144.14,45.01) v1(144.37,67.21) v1(144.39,30.23) v1(144.32,10.49) v1(144.44,61.57) v1(144.42,19.33) v1(144.52,54.1) v1(144.52,16.89) v1(144.7,48.59) v1(144.75,65.43) v1(144.82,63.37) v1(144.88,9.17) v1(144.9,69.75) v1(144.9,52.32) v1(145.28,57.86) v1(145.23,56.46) v1(145.61,40.36) v1(145.79,13.08) v1(145.84,18.11) v1(145.94,80.75) v1(145.97,31.47) v1(146.09,47.52) v1(146.15,43.76) v1(146.27,72.06) v1(146.25,45.06) v1(146.96,16.84) v1(147.06,10.39) v1(147.16,65.56) v1(147.11,51.38) v1(147.29,40.36) v1(147.26,38.66) v1(147.31,71.07) v1(147.44,59.21) v1(147.42,42.34) v1(147.72,55.19) v1(147.92,73.35) v1(148.13,61.19) v1(148.18,56.97) v1(148.25,8.23) v1(148.33,70.56) v1(148.66,67.28) v1(148.69,58.14) v1(148.63,12.85) v1(148.76,63.45) v1(148.76,47.73) v1(148.74,30.56) v1(148.84,20.32) v1(149.04,16.92) v1(149.24,44.91) v1(149.22,10.62) v1(149.35,81.76) v1(149.4,42.04) v1(149.45,39.88) v1(149.5,34.72)